# Altium PCB STM32F429IGT6.PcbDoc (part 1 of 6) (continued)
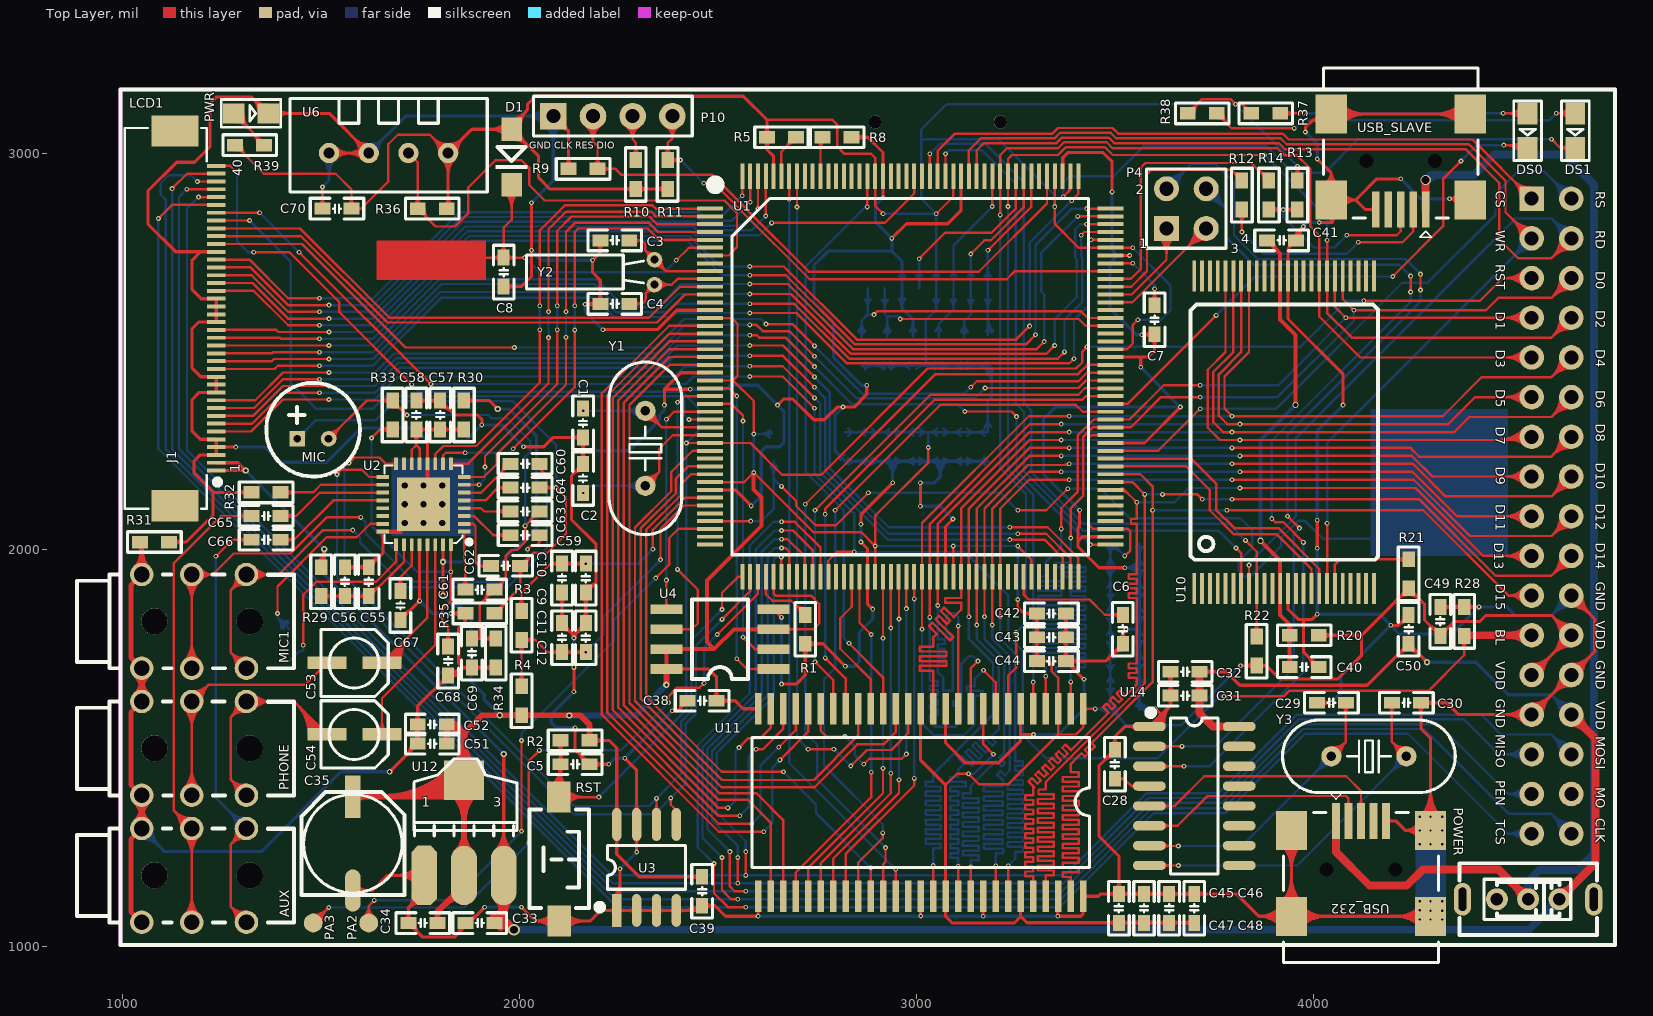
[diagram p0: Top Layer view]
## Nets (pads, with @x,y where several pads share a name; then routed paths per layer and width w, separated by ;. In a path a pad name is that pad's centre, name@x,y a point inside that pad or via, vN(x,y) a via of type N, cw(c..) or ccw(c..) an arc to the next point about the centre after c; other vN are vias at no path point)
AGND: AUX.3 C51.2 C52.2 C67.1 C68.1 C69.1 MIC1.3 PHONE.3 R31.2 R34.1 R35.1 U2.28 | length 3937.1
  Top Layer w8: v5(1672.5,1441) C51.2@1743.5,1512 C52.2@1743.5,1560 1743.5,1607 C68.1@1820,1683.5 1838.5,1683.5 ; v5@1672.5,1444 ccw(c1672.5,1451.24) 1677.62,1446.12 ccw(c1682.74,1441) v5@1675.5,1441 ; C67.1@1700,1823.5 v1(1748.16,1871.66) U2.28@1748.16,2012.59 ; C67.1@1700,1831.5 ccw(c1700,1850.81) C67.1@1713.66,1837.16 ; C67.1@1700,1839.5 ccw(c1700,1878.13) 1727.31,1850.81 ; C67.1@1711,1828.5 cw(c1725.49,1828.5) 1715.24,1838.74 ; 1716.19,1484.69 ccw(c1688.87,1512) C51.2@1727.5,1512 ; 1728.26,1496.76 cw(c1738.5,1486.51) C51.2@1738.5,1501 ; C51.2@1729.84,1498.34 ccw(c1716.19,1512) C51.2@1735.5,1512 ; C51.2@1735.72,1519.78 ccw(c1716.94,1538.56) 1743.5,1538.56 ccw(c1770.06,1538.56) C51.2@1751.28,1519.78 ; C52.2@1735.72,1552.22 cw(c1716.94,1533.44) 1743.5,1533.44 cw(c1770.06,1533.44) C52.2@1751.28,1552.22 ; C52.2@1735.72,1567.78 ccw(c1716.94,1586.56) 1743.5,1586.56 ccw(c1770.06,1586.56) C52.2@1751.28,1567.78 ; 1792.69,1656.19 cw(c1820,1628.87) C68.1@1820,1667.5 ; 1804.76,1668.26 ccw(c1794.51,1678.5) C68.1@1809,1678.5 ; C68.1@1806.34,1669.84 cw(c1820,1656.19) C68.1@1820,1675.5 ; C68.1@1817.71,1684.06 ccw(c1827.65,1703.35) 1843,1688 ; C68.1@1821.37,1691.17 ccw(c1832.92,1713.58) 1850.75,1695.75 ; C68.1@1825.04,1698.28 ccw(c1838.19,1723.8) 1858.5,1703.5 ; v1(1827,1840) R35.1@1863.5,1840 1863.5,1819.5 ; C68.1@1829.66,1678.25 cw(c1838.5,1673.44) 1838.5,1683.5 ; C68.1@1829.66,1688.75 ccw(c1838.5,1693.56) 1838.5,1683.5 ; R35.1@1850.94,1831.69 ccw(c1830.89,1811.64) 1830.89,1840 ccw(c1830.89,1868.36) R35.1@1850.94,1848.31 ; R35.1@1857.56,1829.86 cw(c1851.49,1819.5) 1863.5,1819.5 ; R35.1@1869.44,1829.86 ccw(c1875.51,1819.5) 1863.5,1819.5 ; C69.1@1871.08,1697.06 ccw(c1858.5,1687.99) 1858.5,1703.5 ; C69.1@1871.08,1709.94 cw(c1858.5,1719.01) 1858.5,1703.5 ; C69.1@1887.78,1695.72 cw(c1906.56,1676.94) 1906.56,1703.5 cw(c1906.56,1730.06) C69.1@1887.78,1711.28 ; R34.1@1931.69,1695.19 ccw(c1911.64,1675.14) 1911.64,1703.5 ccw(c1911.64,1731.86) R34.1@1931.69,1711.81 ; R34.1@1940,1703.5 C69.1@1880,1703.5 1858.5,1703.5 ; 1838.5,1683.5 1858.5,1703.5 ; 1858.5,1703.5 1847,1715 1847,1803 1863.5,1819.5
  Top Layer w12: AUX.3@1031.47,1314.75 ccw(c991.31,1354.91) 1048.11,1354.91 ccw(c1104.91,1354.91) AUX.3@1064.75,1314.75 ; PHONE.3@1031.47,1365.25 cw(c991.31,1325.09) 1048.11,1325.09 cw(c1104.91,1325.09) PHONE.3@1064.75,1365.25 ; PHONE.3@1031.47,1634.75 ccw(c991.31,1674.91) 1048.11,1674.91 ccw(c1104.91,1674.91) PHONE.3@1064.75,1634.75 ; MIC1.3@1031.47,1685.25 cw(c991.31,1645.09) 1048.11,1645.09 cw(c1104.91,1645.09) MIC1.3@1064.75,1685.25 ; MIC1.3@1031.47,1954.75 ccw(c991.31,1994.91) 1048.11,1994.91 ccw(c1104.91,1994.91) MIC1.3@1064.75,1954.75 ; R31.2@1040.86,2013.11 cw(c1023.35,1995.6) 1048.11,1995.6 ; AUX.3@1048.11,1061.89 1021,1089 1021,1271 AUX.3@1048.11,1298.11 PHONE.3@1048.11,1381.89 1021,1409 1021,1591 PHONE.3@1048.11,1618.11 MIC1.3@1048.11,1701.89 1021,1729 1021,1911 MIC1.3@1048.11,1938.11 R31.2@1048.11,2015.39 ; 1048.11,1997.33 cw(c1070.42,1997.33) R31.2@1054.64,2013.11
  Bottom Layer w8: AUX.3@1048.11,1272.58 cw(c1048.11,1210.95) 1091.69,1254.53 cw(c1135.27,1298.11) AUX.3@1073.64,1298.11 ; AUX.3@1048.11,1280.58 cw(c1048.11,1238.27) 1078.03,1268.19 cw(c1107.95,1298.11) AUX.3@1065.64,1298.11 ; AUX.3@1048.11,1298.11 1106.22,1240 1349,1240 1550,1441 v5(1672.5,1441) ; v5@1670.38,1438.88 ccw(c1665.26,1433.76) 1665.26,1441 ccw(c1665.26,1448.24) v5@1670.38,1443.12 ; v1(1748.16,1871.66) 1779.82,1840 v1(1827,1840)
BOOT0: R8.1 U1.166 | length 157.4
  Top Layer w6: R8.1@2750.23,3030.99 cw(c2731.07,3011.83) 2758.17,3011.83 ; U1.166@2758.17,2941.32 R8.1@2758.17,3034.67 ; 2758.17,3006.62 cw(c2792.63,3006.62) R8.1@2768.26,3030.99 ; 2758.17,3021.11 cw(c2778.14,3021.11) R8.1@2764.02,3035.23
CH340_RXD: P4.4 U14.3 | length 2725.6
  Top Layer w6: U14.3@3586.81,1455 v1(3674,1455) ; U14.3@3622.57,1448.77 cw(c3637.61,1433.73) 3637.61,1455 cw(c3637.61,1476.27) U14.3@3622.57,1461.23 ; v1@3671.88,1452.88 ccw(c3666.76,1447.76) 3666.76,1455 ccw(c3666.76,1462.24) v1@3671.88,1457.12 ; v1@3895,2076 cw(c3895,2068.76) 3900.12,2073.88 cw(c3905.24,2079) v1@3898,2079 ; v1(3895,2079) 3904,2070 3924,2070 v1(3975,2019) ; v1@3972,2019 ccw(c3964.76,2019) 3969.88,2024.12 ccw(c3975,2029.24) v1@3975,2022 ; v1@4242.88,2652.12 ccw(c4237.76,2657.24) 4245,2657.24 ccw(c4252.24,2657.24) v1@4247.12,2652.12 ; v1@4242.88,2687.88 cw(c4237.76,2682.76) 4245,2682.76 cw(c4252.24,2682.76) v1@4247.12,2687.88 ; v1(4245,2650) v1(4245,2690)
  Bottom Layer w6: v1(3674,1455) 3738,1455 3975,1692 v1(3975,2019) ; v1@3676.12,1452.88 cw(c3681.24,1447.76) 3681.24,1455 cw(c3681.24,1462.24) v1@3676.12,1457.12 ; P4.4@3730,2881.5 cw(c3730,2812.71) 3778.65,2861.35 cw(c3827.29,2910) P4.4@3758.5,2910 ; P4.4@3730,2887.5 cw(c3730,2833.19) 3768.4,2871.6 cw(c3806.81,2910) P4.4@3752.5,2910 ; P4.4@3730,2893.5 cw(c3730,2853.68) 3758.16,2881.84 cw(c3786.32,2910) P4.4@3746.5,2910 ; P4.4@3730,2910 3781,2859 3781,2787 3849,2719 4216,2719 v1(4245,2690) ; v1@3892.88,2081.12 ccw(c3887.76,2086.24) 3895,2086.24 ccw(c3902.24,2086.24) v1@3897.12,2081.12 ; v1(3895,2079) 3895,2275 4245,2625 v1(4245,2650) ; v1@3972.88,2016.88 cw(c3967.76,2011.76) 3975,2011.76 cw(c3982.24,2011.76) v1@3977.12,2016.88 ; v1@4242,2690 ccw(c4234.76,2690) 4239.88,2695.12 ccw(c4245,2700.24) v1@4245,2693 ; v1@4242.88,2647.88 cw(c4237.76,2642.76) 4245,2642.76 cw(c4252.24,2642.76) v1@4247.12,2647.88
CH340_TXD: P4.2 U14.2 | length 2857.5
  Top Layer w6: U14.2@3586.81,1505 v1(3669,1505) ; U14.2@3622.57,1498.77 cw(c3637.61,1483.73) 3637.61,1505 cw(c3637.61,1526.27) U14.2@3622.57,1511.23 ; v1@3666.88,1502.88 ccw(c3661.76,1497.76) 3661.76,1505 ccw(c3661.76,1512.24) v1@3666.88,1507.12 ; v1@3935,2082 cw(c3935,2074.76) 3940.12,2079.88 cw(c3945.24,2085) v1@3938,2085 ; v1(3935,2085) v1(3965,2055) ; v1@3962,2055 ccw(c3954.76,2055) 3959.88,2060.12 ccw(c3965,2065.24) v1@3965,2058 ; v1@4267.88,2657.12 ccw(c4262.76,2662.24) 4270,2662.24 ccw(c4277.24,2662.24) v1@4272.12,2657.12 ; v1@4267.88,2692.88 cw(c4262.76,2687.76) 4270,2687.76 cw(c4277.24,2687.76) v1@4272.12,2692.88 ; v1(4270,2655) v1(4270,2695)
  Bottom Layer w6: P4.2@3630,2910 3693,2973 3753,2973 3800,2926 3800,2793 3860,2733 4232,2733 v1(4270,2695) ; P4.2@3630,2926.5 ccw(c3630,2966.32) 3658.16,2938.16 ccw(c3686.32,2910) P4.2@3646.5,2910 ; P4.2@3630,2932.5 ccw(c3630,2986.81) 3668.4,2948.4 ccw(c3706.81,2910) P4.2@3652.5,2910 ; P4.2@3630,2938.5 ccw(c3630,3007.29) 3678.65,2958.65 ccw(c3727.29,2910) P4.2@3658.5,2910 ; v1(3669,1505) 3753,1505 3951,1703 3951,2041 v1(3965,2055) ; v1@3671.12,1502.88 cw(c3676.24,1497.76) 3676.24,1505 cw(c3676.24,1512.24) v1@3671.12,1507.12 ; v1@3932.88,2087.12 ccw(c3927.76,2092.24) 3935,2092.24 ccw(c3942.24,2092.24) v1@3937.12,2087.12 ; v1(3935,2085) 3935,2291 4270,2626 v1(4270,2655) ; v1@3962,2055 cw(c3954.76,2055) 3959.88,2049.88 cw(c3965,2044.76) v1@3965,2052 ; v1@4267,2695 ccw(c4259.76,2695) 4264.88,2700.12 ccw(c4270,2705.24) v1@4270,2698 ; v1@4267.88,2652.88 cw(c4262.76,2647.76) 4270,2647.76 cw(c4277.24,2647.76) v1@4272.12,2652.88
DHT11: R36.2 U1.7 U6.2 | length 1466.3
  Top Layer w6: U6.2@1720,3000 1743.5,2976.5 R36.2@1743.5,2860 1788.5,2815 1837,2815 1871,2849 1871,2914 1939,2982 2005,2982 2024,2963 2024,2920 2063.5,2880.5 2516.5,2880.5 2548,2849 2548,2763 2526.89,2741.89 U1.7@2480,2741.89 ; R36.2@1734.49,2869.01 ccw(c1712.72,2890.78) 1743.5,2890.78 ccw(c1774.28,2890.78) R36.2@1752.51,2869.01 ; R36.2@1738.73,2864.77 ccw(c1727.21,2876.29) 1743.5,2876.29 ccw(c1759.79,2876.29) R36.2@1748.27,2864.77 ; R36.2@1747.75,2847.25 cw(c1747.75,2826.74) 1762.26,2841.24 ; R36.2@1754.5,2860 ccw(c1781.06,2860) 1762.28,2841.22 ; R36.2@1760.5,2860 ccw(c1801.54,2860) 1772.52,2830.98
F_CS: U1.24 U4.1 | length 920.4
  Top Layer w6: U1.24@2480,2407.24 2527.76,2407.24 v1(2547,2388) ; v1@2544,2388 ccw(c2536.76,2388) 2541.88,2393.12 ccw(c2547,2398.24) v1@2547,2391 ; v1@2547,1723 cw(c2547,1715.76) 2552.12,1720.88 cw(c2557.24,1726) v1@2550,1726 ; v1(2547,1726) 2573,1700 U4.1@2640,1700 ; U4.1@2605.64,1693.64 ccw(c2590.27,1678.27) 2590.27,1700 ccw(c2590.27,1721.73) U4.1@2605.64,1706.36
  Bottom Layer w6: v1@2544.88,1728.12 ccw(c2539.76,1733.24) 2547,1733.24 ccw(c2554.24,1733.24) v1@2549.12,1728.12 ; v1@2544.88,2385.88 cw(c2539.76,2380.76) 2547,2380.76 cw(c2554.24,2380.76) v1@2549.12,2385.88 ; v1(2547,1726) v1(2547,2388)
FMC_A0: U1.16 U11.23 | length 2103.6
  Top Layer w6: U1.16@2480,2564.72 2377.33,2564.72 2207,2394.39 2207,1585 2502,1290 v1(2615,1290) ; v1@2612.88,1287.88 ccw(c2607.76,1282.76) 2607.76,1290 ccw(c2607.76,1297.24) v1@2612.88,1292.12 ; v1(2656,1471) 2727.09,1542.09 U11.23@2727.09,1600 ; v1@2656,1474 ccw(c2656,1481.24) 2661.12,1476.12 ccw(c2666.24,1471) v1@2659,1471 ; U11.23@2723.64,1565.06 cw(c2715.32,1556.74) 2727.09,1556.74 cw(c2738.85,1556.74) U11.23@2730.53,1565.06
  Bottom Layer w6: v1(2615,1290) 2637,1312 2637,1452 v1(2656,1471) ; v1@2615,1293 ccw(c2615,1300.24) 2620.12,1295.12 ccw(c2625.24,1290) v1@2618,1290 ; v1@2653,1471 cw(c2645.76,1471) 2650.88,1465.88 cw(c2656,1460.76) v1@2656,1468
FMC_A1: U1.17 U11.24 | length 2001.7
  Top Layer w6: U1.17@2480,2545.04 2377.45,2545.04 2221,2388.59 2221,1590.8 2501.8,1310 v1(2585,1310) ; v1@2582.88,1307.88 ccw(c2577.76,1302.76) 2577.76,1310 ccw(c2577.76,1317.24) v1@2582.88,1312.12 ; v1(2653,1503) 2695.59,1545.59 U11.24@2695.59,1600 ; v1@2653,1506 ccw(c2653,1513.24) 2658.12,1508.12 ccw(c2663.24,1503) v1@2656,1503 ; U11.24@2692.14,1565.06 cw(c2683.82,1556.74) 2695.59,1556.74 cw(c2707.36,1556.74) U11.24@2699.04,1565.06
  Bottom Layer w6: v1(2585,1310) 2607,1332 2607,1457 v1(2653,1503) ; v1@2585,1313 ccw(c2585,1320.24) 2590.12,1315.12 ccw(c2595.24,1310) v1@2588,1310 ; v1@2650,1503 cw(c2642.76,1503) 2647.88,1497.88 cw(c2653,1492.76) v1@2653,1500
FMC_A2: U1.18 U11.25 | length 1909.8
  Top Layer w6: U1.18@2480,2525.35 2377.56,2525.35 2235,2382.79 2235,1596.6 2501.6,1330 v1(2555,1330) ; v1@2552.88,1327.88 ccw(c2547.76,1322.76) 2547.76,1330 ccw(c2547.76,1337.24) v1@2552.88,1332.12 ; v1(2596,1498) 2613,1498 2664.09,1549.09 U11.25@2664.09,1600 ; v1@2598.12,1495.88 cw(c2603.24,1490.76) 2603.24,1498 cw(c2603.24,1505.24) v1@2598.12,1500.12 ; U11.25@2660.65,1565.06 cw(c2652.33,1556.74) 2664.09,1556.74 cw(c2675.86,1556.74) U11.25@2667.54,1565.06
  Bottom Layer w6: v1(2555,1330) 2577,1352 2577,1479 v1(2596,1498) ; v1@2555,1333 ccw(c2555,1340.24) 2560.12,1335.12 ccw(c2565.24,1330) v1@2558,1330 ; v1@2593,1498 cw(c2585.76,1498) 2590.88,1492.88 cw(c2596,1487.76) v1@2596,1495
FMC_A3: U1.19 U11.26 | length 1815.6
  Top Layer w6: U1.19@2480,2505.67 2377.68,2505.67 2249,2376.99 2249,1602.4 2501.4,1350 v1(2525,1350) ; v1@2522.88,1347.88 ccw(c2517.76,1342.76) 2517.76,1350 ccw(c2517.76,1357.24) v1@2522.88,1352.12 ; v1(2553,1502) 2577,1526 2607,1526 2632.6,1551.6 U11.26@2632.6,1600 ; v1@2553,1505 ccw(c2553,1512.24) 2558.12,1507.12 ccw(c2563.24,1502) v1@2556,1502 ; U11.26@2629.15,1565.06 cw(c2620.83,1556.74) 2632.6,1556.74 cw(c2644.36,1556.74) U11.26@2636.04,1565.06
  Bottom Layer w6: v1(2525,1350) 2544,1369 2544,1493 v1(2553,1502) ; v1@2525,1353 ccw(c2525,1360.24) 2530.12,1355.12 ccw(c2535.24,1350) v1@2528,1350 ; v1@2550,1502 cw(c2542.76,1502) 2547.88,1496.88 cw(c2553,1491.76) v1@2553,1499
FMC_A4: U1.20 U11.29 | length 1723.6
  Top Layer w6: U1.20@2480,2485.98 2377.79,2485.98 2263,2371.2 2263,1608.2 2500.2,1371 2575,1371 2632.6,1313.4 U11.29@2632.6,1127.56 ; U11.29@2629.15,1162.5 ccw(c2620.83,1170.82) 2632.6,1170.82 ccw(c2644.36,1170.82) U11.29@2636.04,1162.5
FMC_A5: U1.21 U11.30 | length 1715.9
  Top Layer w6: U1.21@2480,2466.3 2377.9,2466.3 2277,2365.4 2277,1613.99 2503.99,1387 2597,1387 2664.09,1319.91 U11.30@2664.09,1127.56 ; U11.30@2660.65,1162.5 ccw(c2652.33,1170.82) 2664.09,1170.82 ccw(c2675.86,1170.82) U11.30@2667.54,1162.5
FMC_A6: U1.60 U11.31 | length 959.7
  Top Layer w6: U11.31@2692.14,1162.5 ccw(c2683.82,1170.82) 2695.59,1170.82 ccw(c2707.36,1170.82) U11.31@2699.04,1162.5 ; U11.31@2695.59,1127.56 2695.59,1186.79 2886,1377.2 v1(2886,1440) ; U1.60@2856.59,1932.22 2856.59,1816.41 v1(2886,1787) ; v1@2883,1787 ccw(c2875.76,1787) 2880.88,1792.12 ccw(c2886,1797.24) v1@2886,1790 ; v1@2883.88,1437.88 cw(c2878.76,1432.76) 2886,1432.76 cw(c2893.24,1432.76) v1@2888.12,1437.88
  Bottom Layer w6: v1@2883.88,1442.12 ccw(c2878.76,1447.24) 2886,1447.24 ccw(c2893.24,1447.24) v1@2888.12,1442.12 ; v1@2883.88,1784.88 cw(c2878.76,1779.76) 2886,1779.76 cw(c2893.24,1779.76) v1@2888.12,1784.88 ; v1(2886,1440) v1(2886,1787)
FMC_A7: U1.63 U11.32 | length 946.8
  Top Layer w6: U11.32@2723.64,1162.5 ccw(c2715.32,1170.82) 2727.09,1170.82 ccw(c2738.85,1170.82) U11.32@2730.53,1162.5 ; U11.32@2727.09,1127.56 2727.09,1198.48 2915.65,1387.05 v1(2915.65,1450) ; v1@2913.53,1447.88 cw(c2908.41,1442.76) 2915.65,1442.76 cw(c2922.89,1442.76) v1@2917.77,1447.88 ; v1@2913.53,1779.77 ccw(c2908.41,1784.89) 2915.65,1784.89 ccw(c2922.89,1784.89) v1@2917.77,1779.77 ; v1(2915.65,1777.65) U1.63@2915.65,1932.22
  Bottom Layer w6: v1@2913.53,1452.12 ccw(c2908.41,1457.24) 2915.65,1457.24 ccw(c2922.89,1457.24) v1@2917.77,1452.12 ; v1@2913.53,1775.53 cw(c2908.41,1770.41) 2915.65,1770.41 cw(c2922.89,1770.41) v1@2917.77,1775.53 ; v1(2915.65,1450) v1(2915.65,1777.65)
FMC_A8: U1.64 U11.33 | length 941.9
  Top Layer w6: U11.33@2755.14,1162.5 ccw(c2746.82,1170.82) 2758.58,1170.82 ccw(c2770.35,1170.82) U11.33@2762.03,1162.5 ; U11.33@2758.58,1127.56 2758.58,1210.18 2935.33,1386.93 v1(2935.33,1437.33) ; v1@2933.21,1435.21 cw(c2928.09,1430.09) 2935.33,1430.09 cw(c2942.58,1430.09) v1@2937.46,1435.21 ; v1@2933.21,1805.46 ccw(c2928.09,1810.58) 2935.33,1810.58 ccw(c2942.58,1810.58) v1@2937.46,1805.46 ; v1(2935.33,1803.33) U1.64@2935.33,1932.22
  Bottom Layer w6: v1@2933.21,1439.46 ccw(c2928.09,1444.58) 2935.33,1444.58 ccw(c2942.58,1444.58) v1@2937.46,1439.46 ; v1@2933.21,1801.21 cw(c2928.09,1796.09) 2935.33,1796.09 cw(c2942.58,1796.09) v1@2937.46,1801.21 ; v1(2935.33,1437.33) v1(2935.33,1803.33)
FMC_A9: U1.65 U11.34 | length 944.2
  Top Layer w6: U11.34@2786.63,1162.5 ccw(c2778.31,1170.82) 2790.08,1170.82 ccw(c2801.84,1170.82) U11.34@2793.52,1162.5 ; U11.34@2790.08,1127.56 2790.08,1221.88 2956,1387.8 v1(2956,1421) ; U1.65@2953.61,1903.33 cw(c2947.83,1897.55) 2956,1897.55 ; v1@2953.88,1418.88 cw(c2948.76,1413.76) 2956,1413.76 cw(c2963.24,1413.76) v1@2958.12,1418.88 ; v1@2953.88,1828.12 ccw(c2948.76,1833.24) 2956,1833.24 ccw(c2963.24,1833.24) v1@2958.12,1828.12 ; U1.65@2955.02,1932.22 2956,1931.24 v1(2956,1826)
  Bottom Layer w6: v1@2953.88,1423.12 ccw(c2948.76,1428.24) 2956,1428.24 ccw(c2963.24,1428.24) v1@2958.12,1423.12 ; v1@2953.88,1823.88 cw(c2948.76,1818.76) 2956,1818.76 cw(c2963.24,1818.76) v1@2958.12,1823.88 ; v1(2956,1421) v1(2956,1826)
FMC_A10: U1.66 U11.22 | length 886.8
  Top Layer w6: U11.22@2755.14,1565.06 cw(c2746.82,1556.74) 2758.58,1556.74 cw(c2770.35,1556.74) U11.22@2762.03,1565.06 ; U11.22@2758.58,1600 2758.58,1544.42 2773,1530 v1(2820,1530) ; v1@2817.88,1527.88 ccw(c2812.76,1522.76) 2812.76,1530 ccw(c2812.76,1537.24) v1@2817.88,1532.12 ; v1(2867,1460) 2881,1474 2963,1474 v1(2974.7,1485.7) ; v1@2867,1463 ccw(c2867,1470.24) 2872.12,1465.12 ccw(c2877.24,1460) v1@2870,1460 ; v1@2971.7,1485.7 cw(c2964.46,1485.7) 2969.58,1480.58 cw(c2974.7,1475.46) v1@2974.7,1482.7 ; v1@2972.58,1854.42 ccw(c2967.46,1859.54) 2974.7,1859.54 ccw(c2981.95,1859.54) v1@2976.83,1854.42 ; v1(2974.7,1852.3) U1.66@2974.7,1932.22
  Bottom Layer w6: v1@2820,1527 cw(c2820,1519.76) 2825.12,1524.88 cw(c2830.24,1530) v1@2823,1530 ; v1(2820,1530) 2845,1505 2845,1482 v1(2867,1460) ; v1@2864,1460 ccw(c2856.76,1460) 2861.88,1465.12 ccw(c2867,1470.24) v1@2867,1463 ; v1@2972.58,1487.83 ccw(c2967.46,1492.95) 2974.7,1492.95 ccw(c2981.95,1492.95) v1@2976.83,1487.83 ; v1@2972.58,1850.17 cw(c2967.46,1845.05) 2974.7,1845.05 cw(c2981.95,1845.05) v1@2976.83,1850.17 ; v1(2974.7,1485.7) v1(2974.7,1852.3)
FMC_A11: U1.67 U11.35 | length 940.2
  Top Layer w6: U11.35@2818.13,1162.5 ccw(c2809.81,1170.82) 2821.57,1170.82 ccw(c2833.34,1170.82) U11.35@2825.02,1162.5 ; U11.35@2821.57,1127.56 2821.57,1233.57 2994.39,1406.39 v1(2994.39,1424.39) ; v1@2992.27,1422.27 cw(c2987.15,1417.15) 2994.39,1417.15 cw(c3001.63,1417.15) v1@2996.51,1422.27 ; v1@2992.27,1878.73 ccw(c2987.15,1883.85) 2994.39,1883.85 ccw(c3001.63,1883.85) v1@2996.51,1878.73 ; v1(2994.39,1876.61) U1.67@2994.39,1932.22
  Bottom Layer w6: v1@2992.27,1426.51 ccw(c2987.15,1431.63) 2994.39,1431.63 ccw(c3001.63,1431.63) v1@2996.51,1426.51 ; v1@2992.27,1874.49 cw(c2987.15,1869.37) 2994.39,1869.37 cw(c3001.63,1869.37) v1@2996.51,1874.49 ; v1(2994.39,1424.39) v1(2994.39,1876.61)
FMC_A12: U1.106 U11.36 | length 1946.6
  Top Layer w6: v1(2795,2100) 3061,2366 3401,2366 3418.81,2348.19 U1.106@3489.09,2348.19 ; v1@2795,2103 ccw(c2795,2110.24) 2800.12,2105.12 ccw(c2805.24,2100) v1@2798,2100 ; U11.36@2849.62,1162.5 ccw(c2841.3,1170.82) 2853.07,1170.82 ccw(c2864.84,1170.82) U11.36@2856.52,1162.5 ; U11.36@2853.07,1127.56 2853.07,1212.07 2915,1274 v1(2915,1287) ; v1@2912.88,1284.88 cw(c2907.76,1279.76) 2915,1279.76 cw(c2922.24,1279.76) v1@2917.12,1284.88
  Bottom Layer w6: v1@2792.88,2097.88 cw(c2787.76,2092.76) 2795,2092.76 cw(c2802.24,2092.76) v1@2797.12,2097.88 ; v1(2795,2100) 2795,1702 2767,1674 2767,1457 2915,1309 v1(2915,1287) ; v1@2912.88,1289.12 ccw(c2907.76,1294.24) 2915,1294.24 ccw(c2922.24,1294.24) v1@2917.12,1289.12
FMC_A16_CLE: U1.99 U10.16 | length 691.9
  Top Layer w6: U1.99@3489.09,2210.39 3679.61,2210.39 3739,2151 3739,2100 3799,2040 3907,2040 3995.27,1951.73 U10.16@3995.27,1903.07
FMC_A17_ALE: U1.100 U10.17 | length 728.7
  Top Layer w6: U1.100@3489.09,2230.08 3691.92,2230.08 3755,2167 3755,2100.97 3800.97,2055 3912,2055 4014.96,1952.04 U10.17@4014.96,1903.07
FMC_A18: LCD1.2 U1.101 | length 1785.3
  Top Layer w6: U1.101@3489.09,2249.76 3608.76,2249.76 v1(3715,2356) ; v1@3712,2356 cw(c3704.76,2356) 3709.88,2350.88 cw(c3715,2345.76) v1@3715,2353
  Bottom Layer w6: v1(3715,2356) 3907,2356 4224,2673 4288,2673 4459,2844 4459,2897 4516,2954 4581,2954 LCD1.2@4650,2885 ; v1@3717.12,2353.88 cw(c3722.24,2348.76) 3722.24,2356 cw(c3722.24,2363.24) v1@3717.12,2358.12 ; LCD1.2@4622,2885 ccw(c4554.4,2885) 4602.2,2932.8 ccw(c4650,2980.6) LCD1.2@4650,2913 ; LCD1.2@4628,2885 ccw(c4574.89,2885) 4612.44,2922.56 ccw(c4650,2960.11) LCD1.2@4650,2907 ; LCD1.2@4634,2885 ccw(c4595.37,2885) 4622.69,2912.31 ccw(c4650,2939.63) LCD1.2@4650,2901
FMC_BA0: U1.108 U11.20 | length 1425.3
  Top Layer w6: v1@2767.88,2092.12 ccw(c2762.76,2097.24) 2770,2097.24 ccw(c2777.24,2097.24) v1@2772.12,2092.12 ; v1@2770,1725 cw(c2770,1717.76) 2775.12,1722.88 cw(c2780.24,1728) v1@2773,1728 ; v1(2770,1728) 2821.57,1676.43 U11.20@2821.57,1600 ; v1(2770,2090) 2770,2103 3045,2378 3417,2378 3426.56,2387.56 U1.108@3489.09,2387.56 ; U11.20@2818.13,1634.94 ccw(c2809.81,1643.26) 2821.57,1643.26 ccw(c2833.34,1643.26) U11.20@2825.02,1634.94
  Bottom Layer w6: v1@2767.88,1730.12 ccw(c2762.76,1735.24) 2770,1735.24 ccw(c2777.24,1735.24) v1@2772.12,1730.12 ; v1@2767.88,2087.88 cw(c2762.76,2082.76) 2770,2082.76 cw(c2777.24,2082.76) v1@2772.12,2087.88 ; v1(2770,1728) v1(2770,2090)
FMC_BA1: U1.109 U11.21 | length 1454.7
  Top Layer w6: v1@2744.5,1715.5 cw(c2744.5,1708.26) 2749.62,1713.38 cw(c2754.74,1718.5) v1@2747.5,1718.5 ; v1(2744.5,1718.5) 2790.08,1672.92 U11.21@2790.08,1600 ; v1(2744.5,2100) 3035.5,2391 3407.94,2391 3424.18,2407.24 U1.109@3489.09,2407.24 ; v1@2744.5,2103 ccw(c2744.5,2110.24) 2749.62,2105.12 ccw(c2754.74,2100) v1@2747.5,2100 ; U11.21@2786.63,1634.94 ccw(c2778.31,1643.26) 2790.08,1643.26 ccw(c2801.84,1643.26) U11.21@2793.52,1634.94
  Bottom Layer w6: v1@2742.38,1720.62 ccw(c2737.26,1725.74) 2744.5,1725.74 ccw(c2751.74,1725.74) v1@2746.62,1720.62 ; v1@2742.38,2097.88 cw(c2737.26,2092.76) 2744.5,2092.76 cw(c2751.74,2092.76) v1@2746.62,2097.88 ; v1(2744.5,1718.5) v1(2744.5,2100)
FMC_CD: U1.27 U4.5 | length 676.6
  Top Layer w6: U4.5@2363.64,1856.36 ccw(c2348.27,1871.73) 2370,1871.73 ccw(c2391.73,1871.73) U4.5@2376.36,1856.36 ; v1@2367.88,1921.88 cw(c2362.76,1916.76) 2370,1916.76 cw(c2377.24,1916.76) v1@2372.12,1921.88 ; U4.5@2370,1850 v1(2370,1924) ; v1(2370,2329) 2389.19,2348.19 U1.27@2480,2348.19 ; v1@2370,2332 ccw(c2370,2339.24) 2375.12,2334.12 ccw(c2380.24,2329) v1@2373,2329
  Bottom Layer w6: v1@2367.88,1926.12 ccw(c2362.76,1931.24) 2370,1931.24 ccw(c2377.24,1931.24) v1@2372.12,1926.12 ; v1@2367.88,2326.88 cw(c2362.76,2321.76) 2370,2321.76 cw(c2377.24,2321.76) v1@2372.12,2326.88 ; v1(2370,1924) v1(2370,2329)
FMC_CLK: U1.145
FMC_D0: LCD1.6 U1.104 U10.29 U11.2 | length 3581.1
  Top Layer w6: U11.2@3385.06,1634.94 ccw(c3376.74,1643.26) 3388.5,1643.26 ccw(c3400.27,1643.26) U11.2@3391.95,1634.94 ; v1@3386.38,1665.37 cw(c3381.26,1660.25) 3388.5,1660.25 cw(c3395.75,1660.25) v1@3390.63,1665.37 ; v1@3386.38,2032.12 ccw(c3381.26,2037.24) 3388.5,2037.24 ccw(c3395.75,2037.24) v1@3390.63,2032.12 ; U11.2@3388.5,1600 v1(3388.5,1667.5) ; v1(3388.5,2030) 3388.5,2104.5 3420,2136 3420,2284.97 3443.85,2308.82 U1.104@3489.09,2308.82 3539.82,2308.82 3616,2385 v1(3715,2385) ; v1@3712.88,2382.88 ccw(c3707.76,2377.76) 3707.76,2385 ccw(c3707.76,2392.24) v1@3712.88,2387.12 ; U10.29@4074.01,2690.47 4074.01,2631.99 v1(4102,2604) 4435,2604 4466,2635 4600,2635 LCD1.6@4650,2685 ; v1@4099,2604 ccw(c4091.76,2604) 4096.88,2609.12 ccw(c4102,2614.24) v1@4102,2607 ; v1@4104.12,2601.88 cw(c4109.24,2596.76) 4109.24,2604 cw(c4109.24,2611.24) v1@4104.12,2606.12 ; LCD1.6@4622,2685 cw(c4554.4,2685) 4602.2,2637.2 cw(c4650,2589.4) LCD1.6@4650,2657 ; LCD1.6@4628,2685 cw(c4574.89,2685) 4612.44,2647.44 cw(c4650,2609.89) LCD1.6@4650,2663 ; LCD1.6@4634,2685 cw(c4595.37,2685) 4622.69,2657.69 cw(c4650,2630.37) LCD1.6@4650,2669
  Bottom Layer w6: v1@3386.38,1669.62 ccw(c3381.26,1674.74) 3388.5,1674.74 ccw(c3395.75,1674.74) v1@3390.63,1669.62 ; v1@3386.38,2027.88 cw(c3381.26,2022.76) 3388.5,2022.76 cw(c3395.75,2022.76) v1@3390.63,2027.88 ; v1(3388.5,1667.5) 3388.5,1692 3351.16,1692 3351.16,1704 3425.85,1704 3425.85,1716 3388.5,1716 3388.5,1728 3425.85,1728 3425.85,1740 3388.5,1740 3388.5,1752 3425.85,1752 3425.85,1764 3388.5,1764 3388.5,1776 3425.85,1776 3425.85,1788 3388.5,1788 3388.5,1800 3425.85,1800 3425.85,1812 3388.5,1812 3388.5,1824 3425.85,1824 3425.85,1836 3388.5,1836 3388.5,1848 3425.85,1848 3425.85,1860 3388.5,1860 3388.5,1872 3425.85,1872 3425.85,1884 3388.5,1884 3388.5,1896 3425.85,1896 3425.85,1908 3388.5,1908 3388.5,1920 3425.85,1920 3425.85,1932 3372.82,1932 3372.82,1944 3425.85,1944 3425.85,1956 3351.16,1956 3351.16,1968 3388.5,1968 v1(3388.5,2030) ; v1(3715,2385) 3910,2385 4102,2577 v1(4102,2604) ; v1@3717.12,2382.88 cw(c3722.24,2377.76) 3722.24,2385 cw(c3722.24,2392.24) v1@3717.12,2387.12 ; v1@4099.88,2601.88 cw(c4094.76,2596.76) 4102,2596.76 cw(c4109.24,2596.76) v1@4104.12,2601.88
FMC_D1: LCD1.7 U1.105 U10.30 U11.4 | length 3581.1
  Top Layer w6: U11.4@3322.07,1634.94 ccw(c3313.75,1643.26) 3325.51,1643.26 ccw(c3337.28,1643.26) U11.4@3328.96,1634.94 ; v1@3323.39,1679.39 cw(c3318.27,1674.27) 3325.51,1674.27 cw(c3332.75,1674.27) v1@3327.63,1679.39 ; U11.4@3325.51,1600 v1(3325.51,1681.51) ; v1@3362.88,2055.12 ccw(c3357.76,2060.24) 3365,2060.24 ccw(c3372.24,2060.24) v1@3367.12,2055.12 ; v1(3365,2053) 3365,2105 3406,2146 3406,2287.94 3446.56,2328.5 U1.105@3489.09,2328.5 3536.5,2328.5 3623,2415 v1(3715,2415) ; v1@3712.88,2412.88 ccw(c3707.76,2407.76) 3707.76,2415 ccw(c3707.76,2422.24) v1@3712.88,2417.12 ; U10.30@4054.33,2690.47 4054.33,2612.47 v1(4081.8,2585) LCD1.7@4550,2585 ; v1@4078.8,2585 ccw(c4071.56,2585) 4076.68,2590.12 ccw(c4081.8,2595.24) v1@4081.8,2588 ; v1@4083.92,2582.88 cw(c4089.04,2577.76) 4089.04,2585 cw(c4089.04,2592.24) v1@4083.92,2587.12 ; LCD1.7@4530.2,2565.2 ccw(c4482.4,2517.4) 4482.4,2585 ccw(c4482.4,2652.6) LCD1.7@4530.2,2604.8 ; LCD1.7@4534.44,2569.44 ccw(c4496.89,2531.89) 4496.89,2585 ccw(c4496.89,2638.11) LCD1.7@4534.44,2600.56 ; LCD1.7@4538.69,2573.69 ccw(c4511.37,2546.37) 4511.37,2585 ccw(c4511.37,2623.63) LCD1.7@4538.69,2596.31
  Bottom Layer w6: v1@3323.39,1683.63 ccw(c3318.27,1688.75) 3325.51,1688.75 ccw(c3332.75,1688.75) v1@3327.63,1683.63 ; v1(3325.51,1681.51) 3325.51,1705 3306.15,1705 3306.15,1717 3365.38,1717 3365.38,1729 3306.15,1729 3306.15,1741 3365.38,1741 3365.38,1753 3306.15,1753 3306.15,1765 3365.38,1765 3365.38,1777 3306.15,1777 3306.15,1789 3365.38,1789 3365.38,1801 3306.15,1801 3306.15,1813 3365.38,1813 3365.38,1825 3306.15,1825 3306.15,1837 3365.38,1837 3365.38,1849 3306.15,1849 3306.15,1861 3365.38,1861 3365.38,1873 3306.15,1873 3306.15,1885 3365.38,1885 3365.38,1897 3306.15,1897 3306.15,1909 3365.38,1909 3365.38,1921 3306.15,1921 3306.15,1933 3325.51,1933 3325.51,1968.51 3365,2008 v1(3365,2053) ; v1@3362.88,2050.88 cw(c3357.76,2045.76) 3365,2045.76 cw(c3372.24,2045.76) v1@3367.12,2050.88 ; v1(3715,2415) 3911.8,2415 v1(4081.8,2585) ; v1@3717.12,2412.88 cw(c3722.24,2407.76) 3722.24,2415 cw(c3722.24,2422.24) v1@3717.12,2417.12 ; v1@4078.8,2585 cw(c4071.56,2585) 4076.68,2579.88 cw(c4081.8,2574.76) v1@4081.8,2582
FMC_D2: LCD1.8 U1.142 U10.31 U11.5 | length 3562.8
  Top Layer w6: v1@3228.49,2867.51 ccw(c3223.37,2872.63) 3230.61,2872.63 ccw(c3237.85,2872.63) v1@3232.73,2867.51 ; v1(3230.61,2865.39) U1.142@3230.61,2941.32 3230.61,2984.61 3241,2995 3356.62,2995 3376.62,3015 3474.38,3015 3494.38,2995 v1(3877,2995) ; U11.5@3290.57,1634.94 ccw(c3282.25,1643.26) 3294.02,1643.26 ccw(c3305.78,1643.26) U11.5@3297.46,1634.94 ; v1@3291.89,1664.89 cw(c3286.77,1659.77) 3294.02,1659.77 cw(c3301.26,1659.77) v1@3296.14,1664.89 ; U11.5@3294.02,1600 v1(3294.02,1667.02) ; v1@3874.88,2992.88 ccw(c3869.76,2987.76) 3869.76,2995 ccw(c3869.76,3002.24) v1@3874.88,2997.12 ; v1@4032.52,2778.23 cw(c4027.4,2773.11) 4034.64,2773.11 cw(c4041.89,2773.11) v1@4036.77,2778.23 ; v1(4034.64,2780.36) U10.31@4034.64,2690.47 4034.64,2597.36 4097,2535 4600,2535 LCD1.8@4650,2585 ; LCD1.8@4622,2585 cw(c4554.4,2585) 4602.2,2537.2 cw(c4650,2489.4) LCD1.8@4650,2557 ; LCD1.8@4628,2585 cw(c4574.89,2585) 4612.44,2547.44 cw(c4650,2509.89) LCD1.8@4650,2563 ; LCD1.8@4634,2585 cw(c4595.37,2585) 4622.69,2557.69 cw(c4650,2530.37) LCD1.8@4650,2569
  Bottom Layer w6: v1@3228.49,2863.27 cw(c3223.37,2858.15) 3230.61,2858.15 cw(c3237.85,2858.15) v1@3232.73,2863.27 ; v1(3230.61,2865.39) 3230.61,2203.42 3294.02,2140.01 v1(3294.02,1667.02) ; v1@3291.89,1669.14 ccw(c3286.77,1674.26) 3294.02,1674.26 ccw(c3301.26,1674.26) v1@3296.14,1669.14 ; v1@3877,2992 cw(c3877,2984.76) 3882.12,2989.88 cw(c3887.24,2995) v1@3880,2995 ; v1(3877,2995) 4034.64,2837.36 v1(4034.64,2780.36) ; v1@4032.52,2782.48 ccw(c4027.4,2787.6) 4034.64,2787.6 ccw(c4041.89,2787.6) v1@4036.77,2782.48
FMC_D3: LCD1.9 U1.143 U10.32 U11.7 | length 3536.7
  Top Layer w6: v1@3208.8,2846.2 ccw(c3203.68,2851.32) 3210.93,2851.32 ccw(c3218.17,2851.32) v1@3213.05,2846.2 ; v1(3210.93,2844.07) U1.143@3210.93,2941.32 3210.93,2994.93 3228,3012 3356.64,3012 3371.64,3027 3479.36,3027 3494.36,3012 3909,3012 3927,2994 3959,2994 3992,2961 3992,2816 4014.96,2793.04 U10.32@4014.96,2690.47 4014.96,2588.04 4118,2485 LCD1.9@4550,2485 ; U11.7@3227.58,1634.94 ccw(c3219.26,1643.26) 3231.02,1643.26 ccw(c3242.79,1643.26) U11.7@3234.47,1634.94 ; U11.7@3231.02,1600 3231.02,1683.02 3251,1703 v1(3251,1792) ; v1@3248.88,1789.88 cw(c3243.76,1784.76) 3251,1784.76 cw(c3258.24,1784.76) v1@3253.12,1789.88 ; LCD1.9@4530.2,2465.2 ccw(c4482.4,2417.4) 4482.4,2485 ccw(c4482.4,2552.6) LCD1.9@4530.2,2504.8 ; LCD1.9@4534.44,2469.44 ccw(c4496.89,2431.89) 4496.89,2485 ccw(c4496.89,2538.11) LCD1.9@4534.44,2500.56 ; LCD1.9@4538.69,2473.69 ccw(c4511.37,2446.37) 4511.37,2485 ccw(c4511.37,2523.63) LCD1.9@4538.69,2496.31
  Bottom Layer w6: v1@3208.8,2841.95 cw(c3203.68,2836.83) 3210.93,2836.83 cw(c3218.17,2836.83) v1@3213.05,2841.95 ; v1(3210.93,2844.07) 3210.93,2206.13 3276,2141.06 3276,1817 v1(3251,1792) ; v1@3251,1795 ccw(c3251,1802.24) 3256.12,1797.12 ccw(c3261.24,1792) v1@3254,1792